# Allegro board Coral-Dev-Board-Mini-layout-Allegro.brd (continued)
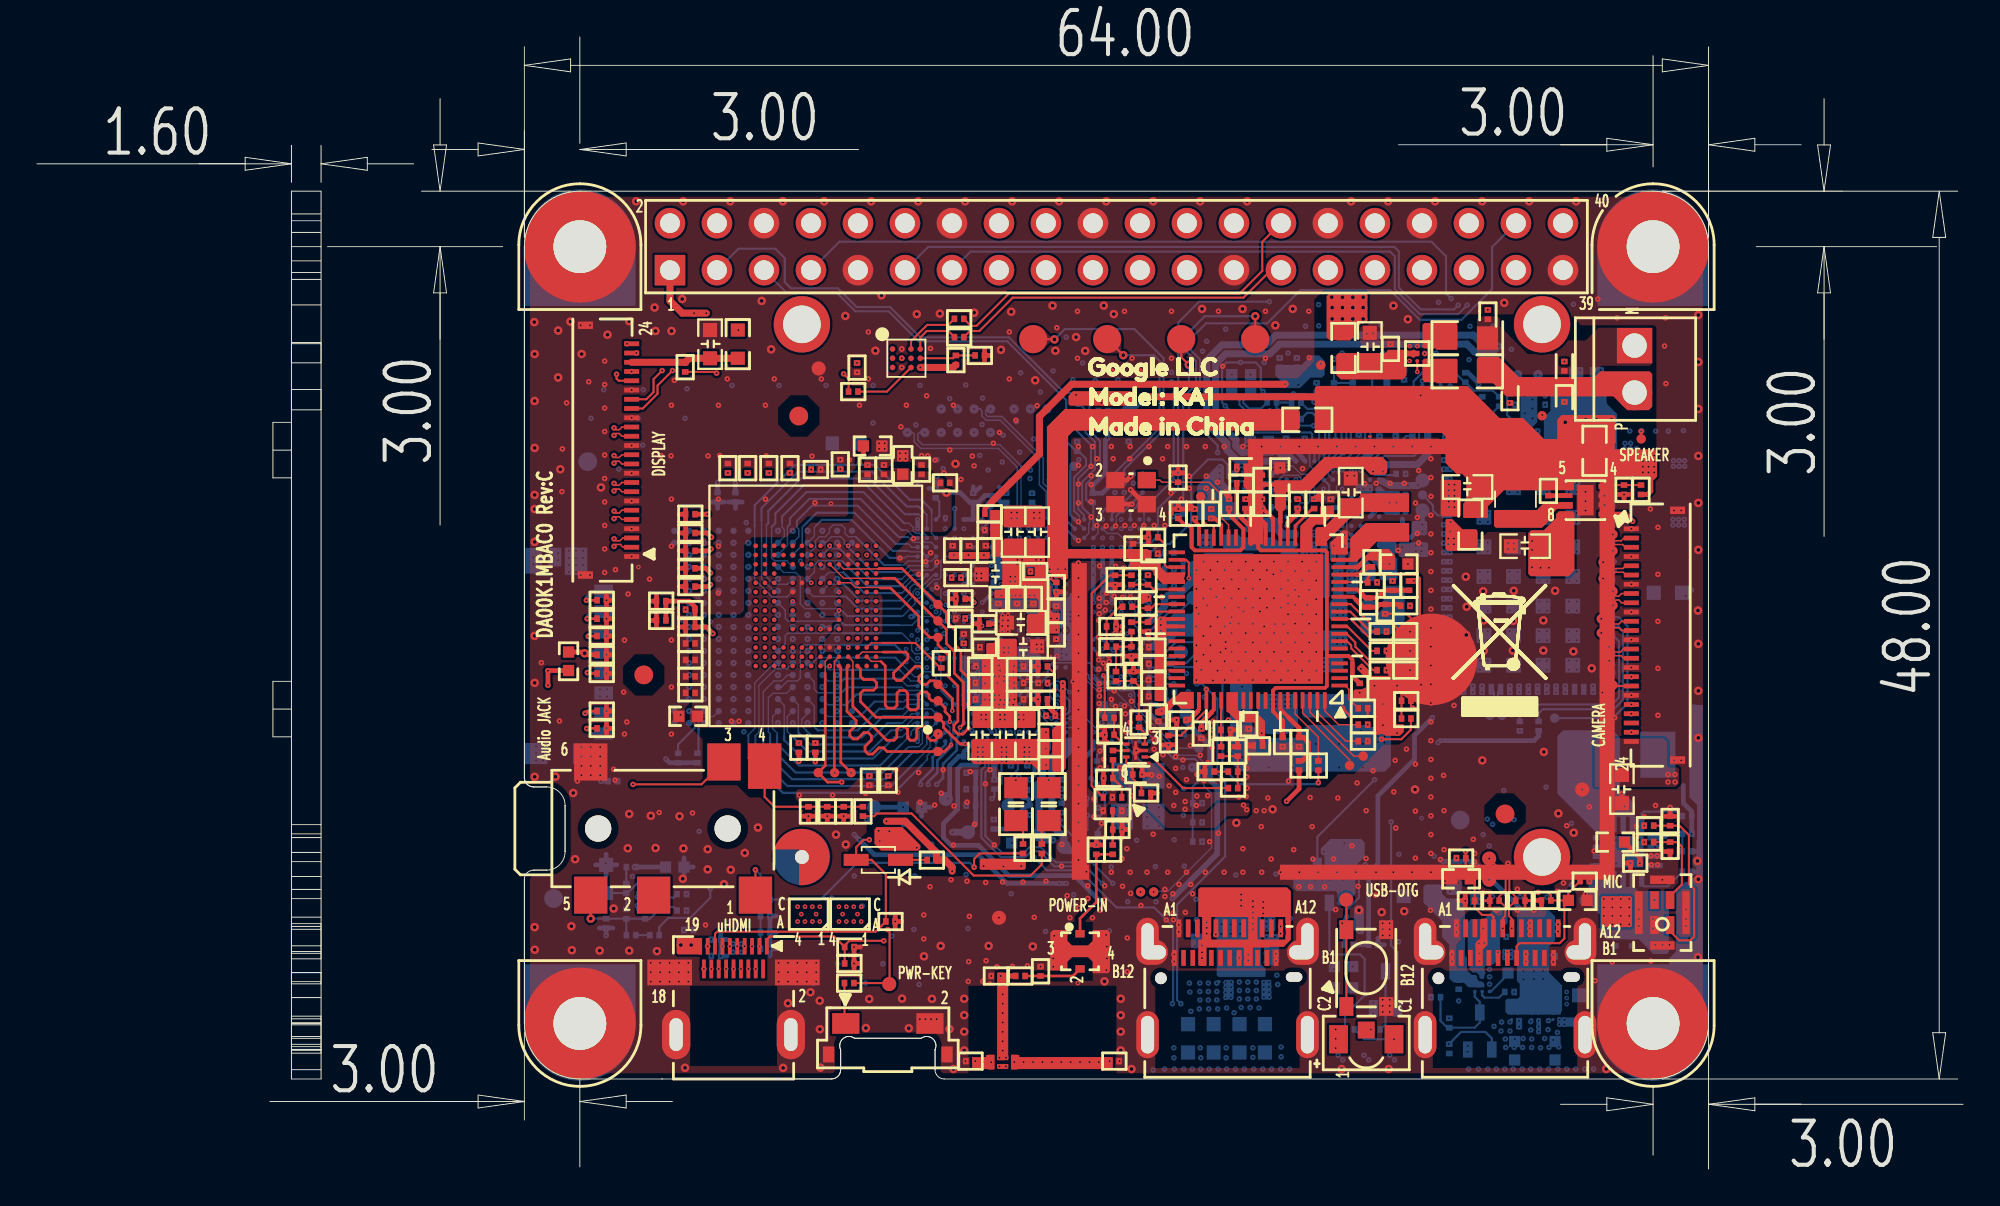
[diagram p0: board, top side]
## Routing (per net, layer and track width the routed paths; a pad name or vN(x,y) marks a point on that pad's centre or on a via; arc(x,y) is an arc through that point) (continued)
ED17: length 9.1
  BOTTOM w0.076: 46.99,33.8 47.09,33.8 47.28,33.62 U6.A4 ; 41.07,34.79 41.07,34.69 41.17,34.59 41.17,34.18 U501.T9
  BOTTOM w0.114: 41.07,34.79 41.07,35.04 41.89,35.86 44.35,35.86 46.41,33.8 46.99,33.8
ED18: length 7.6
  BOTTOM w0.076: U501.T10 42.01,34.22 42.01,34.69 42.11,34.79 ; U6.A5 46.97,33.12 46.89,33.04 46.66,33.04
  BOTTOM w0.114: 42.11,34.79 42.42,35.1 44.03,35.1 46.09,33.04 46.66,33.04
ED19: length 6.8
  BOTTOM w0.076: U6.B6 47.13,32.62 46.78,32.27 46.66,32.27 ; 43.83,33.62 43.64,33.82 43.64,33.98 43.44,34.18 42.93,34.18 42.6,33.86 U501.T11
  BOTTOM w0.114: 43.83,33.62 45.18,32.27 46.66,32.27
ED20: length 11.2
  BOTTOM w0.076: U501.R8 40.56,33.72 40.56,34.73 40.6,34.78 ; U6.B4 47.97,33.62 47.71,33.88 47.37,33.88 47.08,34.17 46.98,34.17
  BOTTOM w0.114: 46.98,34.17 46.57,34.17 44.52,36.23 41.73,36.23 40.69,35.19 40.69,34.87 40.6,34.78
ED21: length 9.7
  BOTTOM w0.076: U501.R9 41.36,33.72 41.36,34.7 41.45,34.79 ; U6.B5 48.08,33.12 47.83,33.37 47.17,33.37 47.12,33.42 46.99,33.42
  BOTTOM w0.114: 46.99,33.42 46.24,33.42 44.19,35.48 42.14,35.48 41.45,34.79
ED22: length 9.2
  BOTTOM w0.076: 44.25,34.18 43.84,34.18 43.66,34.36 43.66,34.64 43.49,34.82 43.03,34.82 42.83,34.61 42.83,34.41 42.6,34.18 42.29,34.18 42.06,33.95 42.06,33.63 U501.R10 ; U6.C5 48.59,33.11 48.35,32.87 47.08,32.87 46.86,32.66 46.66,32.66
  BOTTOM w0.114: 44.25,34.18 45.77,32.66 46.66,32.66
ED23: length 7.3
  BOTTOM w0.076: 43.31,33.55 42.78,33.55 U501.R11 ; 46.66,31.89 46.73,31.89 47.22,32.38 48.36,32.38 48.59,32.6 U6.C6
  BOTTOM w0.114: 43.31,33.55 43.37,33.55 45.03,31.89 46.66,31.89
ED24: length 5.5
  BOTTOM w0.076: U6.A20 47.48,25.62 47.45,25.65 46.66,25.65 ; U501.C11 42.75,25.1 43.6,25.1
  BOTTOM w0.114: 46.66,25.65 44.27,25.65 43.73,25.1 43.6,25.1
ED25: length 7.9
  BOTTOM w0.076: 46.66,24.89 46.81,24.89 47.05,25.12 U6.A21 ; U501.C10 42.01,25.04 42.01,23.9 42.06,23.84
  BOTTOM w0.114: 42.06,23.84 42.19,23.72 44.35,23.72 45.52,24.89 46.66,24.89
ED26: length 9.3
  BOTTOM w0.076: 41.15,23.73 41.15,25.11 U501.C9 ; U6.A22 47.28,24.62 46.76,24.1 46.66,24.1
  BOTTOM w0.114: 46.66,24.1 45.95,24.1 44.81,22.96 41.79,22.96 41.15,23.6 41.15,23.73
ED27: length 10.8
  BOTTOM w0.076: U6.A23 47.39,24.12 47.03,23.76 47.03,23.63 46.75,23.35 46.66,23.35 ; 40.38,23.41 40.38,25.07 U501.C8
  BOTTOM w0.114: 46.66,23.35 46.34,23.35 45.19,22.19 41.38,22.19 40.38,23.19 40.38,23.41
ED28: length 6.2
  BOTTOM w0.076: 46.66,25.27 46.84,25.27 46.95,25.38 47.83,25.38 U6.B21 ; U501.B11 42.73,24.47 44.35,24.47
  BOTTOM w0.114: 46.66,25.27 45.26,25.27 44.46,24.47 44.35,24.47
ED29: length 9.2
  BOTTOM w0.076: U501.B10 41.64,24.62 41.33,24.3 41.33,23.96 41.55,23.74 ; 46.66,24.48 46.76,24.48 47.16,24.88 48.33,24.88 U6.C22
  BOTTOM w0.114: 41.55,23.74 41.95,23.34 44.58,23.34 45.72,24.48 46.66,24.48
ED30: length 10.1
  BOTTOM w0.076: 40.79,23.41 40.54,23.66 40.54,24.46 U501.B9 ; 46.66,23.72 46.71,23.72 47.36,24.37 47.84,24.37 U6.B22
  BOTTOM w0.114: 46.66,23.72 46.15,23.72 45.01,22.57 41.63,22.57 40.79,23.41
ED31: length 11.6
  BOTTOM w0.076: 46.73,22.97 47.25,23.49 47.25,23.64 47.46,23.86 47.75,23.86 48.01,24.12 U6.B23 ; U501.B8 39.76,24.47 39.76,23.82 40,23.57 40,23.41
  BOTTOM w0.114: 46.73,22.97 45.57,21.81 41.17,21.81 40,22.99 40,23.41
EDQM0: length 11.5
  BOTTOM w0.076: 43.54,29.51 43.43,29.62 40.58,29.62 40.44,29.76 40.44,30.21 U501.L8 ; 46.61,29.41 47.3,29.41 47.77,29.88 48.69,29.88 48.85,30.03 48.85,31.36 U6.C8
  BOTTOM w0.114: 43.54,29.51 43.64,29.41 46.61,29.41
EDQM1: length 13.1
  BOTTOM w0.076: U6.E21 49.58,25.12 48.85,25.85 48.85,27.7 48.69,27.86 47.45,27.86 47.27,28.04 47.27,28.44 46.74,28.97 46.66,28.97 ; U501.G8 40.44,28.4 40.44,28.82 40.59,28.97 43.54,28.97
  BOTTOM w0.114: 46.66,28.97 43.54,28.97
EDQM2: length 13.6
  BOTTOM w0.076: U6.E5 49.1,33.12 48.85,32.86 48.85,32 48.72,31.88 48.47,31.88 47.83,31.24 47.83,31.02 47.67,30.86 47.58,30.86 47.45,30.73 47.45,30.56 46.78,29.89 46.66,29.89 ; 43.54,30.14 43.38,30.3 41.51,30.3 41.25,30.55 41.25,32 41,32.25 40.35,32.25 U501.P8
  BOTTOM w0.114: 43.54,30.14 43.79,29.89 46.66,29.89
EDQM3: length 11.8
  BOTTOM w0.076: U501.D8 40.24,26.06 40.57,26.38 41.1,26.38 41.25,26.54 41.25,28.16 41.43,28.34 43.54,28.34 ; 46.66,28.04 46.94,27.76 47.09,27.76 47.47,27.38 47.74,27.38 47.83,27.28 47.83,27.04 47.99,26.88 48.3,26.88 48.59,26.59 U6.C19
  BOTTOM w0.114: 43.54,28.34 46.36,28.34 46.66,28.04
EDQS0: length 8.6
  L06_GND2 w0.076: v10(49.09,32.12) 49.23,31.98 49.23,31.87 49.02,31.66 44.06,31.66 43.86,31.46 42.39,31.46 41.97,31.04 41.97,30.71 41.87,30.61 v10(41.64,30.61)
EDQS0_B: length 8.6
  L06_GND2 w0.076: v10(42.44,30.61) 42.24,30.61 42.17,30.68 42.17,30.96 42.47,31.26 43.94,31.26 44.15,31.46 49.1,31.46 49.43,31.79 49.43,31.96 v10(49.59,32.12)
EDQS1: length 8.8
  L06_GND2 w0.076: v10(41.64,28.01) 41.87,28.01 41.95,27.93 41.95,27.59 42.42,27.12 43.77,27.12 44.32,26.56 49.02,26.56 49.23,26.36 49.23,26.26 v10(49.09,26.12)
EDQS1_B: length 8.8
  L06_GND2 w0.076: v10(42.44,28.01) 42.22,28.01 42.14,27.93 42.14,27.68 42.5,27.32 43.85,27.32 44.41,26.76 49.11,26.76 49.43,26.44 49.43,26.28 v10(49.59,26.12)
EDQS2: length 13.1
  L06_GND2 w0.076: v10(41.64,32.56) 41.87,32.56 41.95,32.63 41.95,33.33 42.44,33.82 43.69,33.82 44.55,32.96 49.4,32.96 50.21,32.16 50.21,30.82 49.92,30.53 49.48,30.53 49.23,30.77 49.23,30.98 49.1,31.12 v10(49.09,31.12)
EDQS2_B: length 11.8
  L06_GND2 w0.076: v10(49.59,31.12) 49.57,31.12 49.43,30.98 49.43,30.86 49.56,30.73 49.84,30.73 50.01,30.91 50.01,32.07 49.32,32.77 44.47,32.77 43.61,33.62 42.52,33.62 42.14,33.25 42.14,32.63 42.22,32.56 v10(42.44,32.56)
EDQS3: length 8.7
  L06_GND2 w0.076: v10(41.64,26.06) 41.87,26.06 41.95,25.98 41.95,25.46 42.6,24.81 44.17,24.81 45.01,25.65 48.46,25.65 48.72,25.39 48.72,25.25 v10(48.59,25.12)
EDQS3_B: length 8.7
  L06_GND2 w0.076: v10(42.44,26.06) 42.22,26.06 42.14,25.98 42.14,25.54 42.68,25.01 44.09,25.01 44.93,25.85 48.55,25.85 48.92,25.47 48.92,25.29 49.09,25.13 v10(49.09,25.12)
EINT0: length 31
  L08_IN4 w0.089: v10(58.59,28.62) 58.67,28.7 59.09,28.7 59.26,28.87 59.66,28.87 60.17,29.38 60.43,29.38 61.29,30.23 61.29,31.99 60.89,32.4 60.89,34.3 61.1,34.51 61.1,36.31 61.31,36.53 61.31,42.81 61.11,43.01 61.11,45.28 59.25,47.14 58.79,47.14 58.14,47.8 58.14,48.9 57.16,49.88 53.25,49.88 J6.16
EINT1: length 32.4
  L07_IN3 w0.084: J6.18 55.72,49.94 55.72,48.28 56.74,47.26 v7(60.22,47.26)
  L08_IN4 w0.089: v10(57.82,28.39) 57.84,28.37 58.25,28.37 58.41,28.21 58.8,28.21 58.96,28.36 59.91,28.36 60.18,28.09 60.41,28.09 60.76,28.45 60.76,28.46 61.15,28.85 61.15,28.92 61.86,29.63 61.86,32.23 61.46,32.63 61.46,34.06 62.08,34.69 62.08,36.21 61.95,36.35 61.95,42.98 61.69,43.25 61.69,45.8 v7(60.22,47.26)
  BOTTOM w0.114: U6.AA14 v10(57.82,28.39)
EINT7: length 26
  L08_IN4 w0.089: v10(60.09,28.87) 60.32,28.87 60.36,28.83 60.59,28.83 60.75,28.99 60.75,29.31 61.48,30.04 61.48,32.07 61.08,32.48 61.08,34.22 61.7,34.85 61.7,36.05 61.57,36.19 61.57,42.83 61.31,43.09 61.31,45.36 59.33,47.34 58.87,47.34 58.45,47.76 58.45,49.98 J6.22
  BOTTOM w0.114: v10(60.09,28.87) U6.AF14
EINT8: length 29.1
  L07_IN3 w0.084: J6.26 63.45,49.89 63.45,48.19 62.85,47.6 61.62,47.6 59.83,45.8 59.26,45.8 v7(59.25,45.81)
  L08_IN4 w0.089: v7(59.25,45.81) 59.24,45.8 59.24,44.97 59.99,44.22 59.99,42.38 59.57,41.96 59.57,41.42 60.25,40.74 60.25,37.27 60.03,37.05 60.03,35.35 59.84,35.16 59.84,33.98 60.2,33.62 60.2,32.06 60.33,31.93 60.33,31.17 60.17,31.01 60.17,30.8 59.84,30.46 59.84,30.02 59.69,29.87 59.39,29.87 58.89,29.37 58.75,29.37 58.54,29.15 58.23,29.15 57.57,28.49 57.57,28.14 v10(57.59,28.12)
EINT9: length 111.7
  L07_IN3 w0.084: v8(60.47,29.1) 60.57,29 60.57,27.79 61.93,26.44 61.93,25.52 62.16,25.3 62.16,23.95 63.53,22.57 66.38,22.57 67.14,21.81 70.28,21.81 71.72,20.38 71.72,17.23 73.38,15.58 75.14,15.58 76.01,14.71 76.94,14.71 77.75,15.52 77.75,16.81 82.54,21.6 84.81,21.6 88.4,25.18 88.4,38.99 88.4,39.97 88.21,40.15 88.21,44.99 86.97,46.22 84.88,46.22 82.21,43.56 80.52,43.56 79.05,45.02 78.5,45.02 v9(76.81,46.7)
  L09_IN5 w0.114: v8(60.47,29.1) 60.24,29.34 59.37,29.34 v10(59.09,29.62)
  BOTTOM w0.114: J6.11 48.17,49.85 73.36,49.85 73.6,49.61 73.6,47.66 74.78,46.48 76.58,46.48 v9(76.81,46.7)
EINT10: length 108.9
  L07_IN3 w0.084: v9(77.29,46.7) 77.29,46.54 78.61,45.21 79.22,45.21 80.64,43.79 82.18,43.79 84.87,46.48 86.98,46.48 88.39,45.06 88.39,40.23 88.58,40.04 88.58,39.99 88.58,39.99 88.58,38.91 88.58,25.1 84.89,21.41 82.71,21.41 77.98,16.69 77.98,15.49 77.02,14.53 75.93,14.53 75.07,15.39 73.3,15.39 71.5,17.19 71.5,20.26 70.16,21.61 67.08,21.61 66.3,22.39 63.46,22.39 61.93,23.92 61.93,25.26 61.74,25.45 61.74,26.36 60.3,27.81 v8(60.3,28.37)
  L09_IN5 w0.076: v10(59.09,28.62) 59.21,28.62 59.46,28.37 v8(60.3,28.37)
  BOTTOM w0.114: v9(77.29,46.7) 76.81,46.22 74.73,46.22 73.38,47.57 73.38,49.35 73.13,49.6 50.45,49.6 J6.13
EINT11: length 30.3
  L08_IN4 w0.089: v10(57.59,27.7) 57.34,27.95 57.34,28.5 58.18,29.34 58.49,29.34 58.68,29.53 58.82,29.53 59.18,29.89 59.18,30.06 60.01,30.89 60.01,31.07 60.17,31.24 60.17,31.86 60.04,31.99 60.04,33.38 59.65,33.77 59.65,35.24 59.84,35.43 59.84,37.13 60.06,37.35 60.06,40.36 57.41,43 57.41,46.39 55.77,48.03 55.77,49.2 55.32,49.65 53.05,49.65 J6.15
  BOTTOM w0.114: U6.Y15 57.51,27.7 v10(57.59,27.7)
EINT12: length 35.1
  L07_IN3 w0.084: J6.32 71.23,51.14 70.27,52.11 69.26,52.11 69.01,51.86 68.02,51.86 67.74,52.14 66.68,52.14 65.99,51.45 65.99,48.05 65.35,47.41 61.79,47.41 59.9,45.52 59.63,45.52 v7(59.61,45.5)
  L08_IN4 w0.089: v7(59.61,45.5) 59.64,45.5 60.24,44.9 60.24,42.65 60.44,42.45 60.44,36.89 60.22,36.68 60.22,35.27 60.21,35.27 60.21,34.43 60.37,34.28 60.37,32.12 60.5,32 60.5,31.1 60.34,30.94 60.34,30.02 60.19,29.87 59.93,29.87 59.67,29.62 v10(59.59,29.62)
EINT13: length 86.4
  L07_IN3 w0.084: J6.36 76.09,49.84 76.09,48.03 75.06,46.99 75.06,46.07 78.44,42.69 79.3,42.69 79.94,43.33 82.24,43.33 84.9,45.99 86.95,45.99 88.02,44.91 88.02,40.08 88.21,39.89 88.21,39.83 88.21,39.83 88.21,39.06 88.21,25.26 84.74,21.78 82.4,21.78 77.52,16.9 77.52,16.58 76.7,15.76 73.45,15.76 71.96,17.25 71.96,20.47 70.42,22.01 67.2,22.01 66.45,22.76 63.61,22.76 62.36,24.01 62.36,25.36 62.11,25.6 62.11,26.52 60.76,27.87 60.76,29.23 60.48,29.51 59.63,29.51 v10(58.16,28.04)
EINT22: length 120.3
  L07_IN3 w0.084: v9(76.43,47.06) 76.89,47.52 83.72,47.52 84.53,46.7 87.02,46.7 88.58,45.14 88.58,40.31 88.77,40.12 88.77,40.06 88.77,40.06 88.77,38.83 88.77,38.83 88.77,25.03 84.97,21.23 82.8,21.23 78.17,16.59 78.17,15.41 77.1,14.34 75.86,14.34 74.99,15.2 61.11,15.2 60.39,14.48 57.37,14.48 v7(54.99,16.86)
  L08_IN4 w0.089: v7(54.99,16.86) 54.15,17.7 54.15,21.51 53.59,22.07 53.48,22.07 52.17,23.38 v8(52.17,23.62)
  L09_IN5 w0.114: v8(52.17,23.62) 52.09,23.7 v10(52.09,24.12)
  BOTTOM w0.114: J6.7 43.36,50.13 75.36,50.13 76.15,49.35 76.15,47.34 v9(76.43,47.06)
EINT23: length 78.3
  TOP w0.114: R164.2 43.86,42.72 v6(43.59,42.99)
  L07_IN3 w0.084: v7(53.85,17.91) 49.89,17.91 46.27,14.3 46.27,12.83 46.1,12.65 37.12,12.65 37.07,12.7 31.84,12.7 29.47,15.07 29.47,17.21 29.1,17.58 29.1,18.99 29.42,19.31 29.42,20.52 27.91,22.03 27.91,39.83 30.75,42.68 43.28,42.68 v6(43.59,42.99)
  L08_IN4 w0.089: v7(53.85,17.91) 53.95,18.01 53.95,21.43 53.57,21.8 53.32,21.8 v8(52.4,22.73)
  L09_IN5 w0.114: v10(52.59,23.12) 52.59,22.92 v8(52.4,22.73)
EINT25: length 79.7
  L07_IN3 w0.084: v8(61.06,28.34) 61.06,27.83 62.3,26.59 62.3,25.68 62.56,25.41 62.56,24.07 63.69,22.94 66.56,22.94 67.26,22.24 70.51,22.24 72.16,20.59 72.16,17.47 73.69,15.95 76.61,15.95 77.27,16.61 77.27,16.91 82.32,21.97 84.66,21.97 88.03,25.33 88.03,39.14 88.03,39.81 87.84,40 87.84,44.83 86.87,45.8 84.98,45.8 82.23,43.05 80.04,43.05 79.4,42.41 78.41,42.41 74.85,45.98 J6.33
  L09_IN5 w0.076: v10(59.59,28.62) 60.18,28.62 60.26,28.7 60.7,28.7 v8(61.06,28.34)
EMMC_CLK: length 14.4
  TOP w0.076: U9.M6 43.6,31.94 45.72,31.94
  TOP w0.145: v19(49.88,23.87) 50.07,24.06 50.07,26.31 49.58,26.8 49.58,27.98 49.14,28.41 49.14,29.18 TP22.1 48.67,29.63 46.36,31.94 45.72,31.94
  L05_POW w0.145: v19(49.88,23.87) 49.88,23.96 v5(50.1,24.18)
  L06_GND2 w0.145: v5(50.1,24.18) 50.17,24.12 v10(50.59,24.12)
EMMC_CMD: length 13.2
  TOP w0.076: U9.M5 43.59,32.45 45.49,32.45
  TOP w0.145: 45.49,32.45 45.51,32.46 46.75,32.46 TP23.1 49.14,30.07 49.14,29.61 49.63,29.13 49.63,28.32 49.93,28.01 49.93,26.97 50.4,26.51 50.4,25.18 v19(50.35,25.13)
  L05_POW w0.145: v19(50.35,25.13) 50.35,24.82 50.25,24.72 v5(50.25,24.72)
  L06_GND2 w0.145: v10(50.59,24.62) 50.34,24.62 v5(50.25,24.72)
EMMC_DAT0: length 11.6
  TOP w0.145: U9.A3 44.5,27.03 44.5,26.63 44.67,26.47 45.21,26.47 45.38,26.3 45.38,26.06 45.21,25.89 44.67,25.89 44.5,25.72 44.5,25.27 45.35,24.42 TP31.1 48.99,24.13 48.99,23.87 49.88,22.98 v19(50.16,22.98)
  L05_POW w0.145: v5(50.22,23.4) 50.22,23.04 v19(50.16,22.98)
  L06_GND2 w0.145: v5(50.22,23.4) 50.34,23.28 v11(50.34,23.06)
  L08_IN4 w0.109: v11(50.34,23.06) 50.34,23.37 v10(50.09,23.62)
EMMC_DAT1: length 12.6
  TOP w0.145: U9.A4 43.78,27.13 43.78,24.74 44.27,24.24 44.27,24 43.93,23.66 43.93,23.42 44.1,23.25 44.34,23.25 44.68,23.59 44.92,23.59 45.09,23.42 45.09,23.18 44.75,22.84 44.75,22.6 44.92,22.43 45.16,22.43 45.5,22.77 45.74,22.77 45.94,22.57 TP30.1 49.04,22.57 v19(49.4,22.93)
  L05_POW w0.145: v5(49.72,23.21) 49.44,22.93 v19(49.4,22.93)
  L06_GND2 w0.145: v10(49.99,22.97) 49.98,22.97 49.74,23.21 v5(49.72,23.21)
  BOTTOM w0.145: U6.F25 50.09,23.07 v10(49.99,22.97)
EMMC_DAT2: length 15.1
  TOP w0.145: v6(44,21.43) 43.44,21.98 43.44,27.1 U9.A5
  L07_IN3 w0.107: v6(44,21.43) 44,21.3 44.37,20.92 45.27,20.92 45.45,21.1 48.31,21.1 v9(48.62,20.79)
  BOTTOM w0.076: U6.F23 49.84,23.87 49.84,23.46
  BOTTOM w0.145: 49.84,23.46 49.71,23.33 49.71,22.65 48.97,21.9 48.97,21.14 v9(48.62,20.79)
EMMC_DAT3: length 11.2
  TOP w0.076: U9.B2 45.09,27.45 45.6,27.45
  TOP w0.145: v19(49.33,24.18) 49.33,24.48 49.08,24.73 49.08,24.93 TP28.1 48.36,25.31 48.21,25.46 48.21,25.64 48.07,25.79 47.78,25.79 47.63,25.64 47.63,24.97 47.49,24.82 47.2,24.82 47.06,24.97 47.06,25.73 46.91,25.87 46.62,25.87 46.48,25.73 46.48,25.06 46.33,24.92 45.99,24.92 45.84,25.06 45.84,27.21 45.6,27.45
  L05_POW w0.145: v19(49.33,24.18) 49.33,23.89 49.27,23.83 v5(49.27,23.83)
  L06_GND2 w0.145: v5(49.27,23.83) 49.48,23.62 v10(49.59,23.62)
EMMC_DAT4: length 11
  TOP w0.076: 45.72,27.95 44.6,27.95 U9.B3
  TOP w0.145: v19(49.47,24.78) 49.47,25.43 TP27.1 48.5,26.4 48.26,26.4 48.07,26.2 47.85,26.2 47.66,26.39 47.66,26.61 47.85,26.8 47.85,27.04 47.71,27.18 47.47,27.18 46.71,26.41 46.47,26.41 46.3,26.58 46.3,26.82 47.06,27.59 47.06,27.83 46.95,27.95 45.72,27.95
  L05_POW w0.145: v19(49.47,24.78) 49.65,24.6 v5(49.65,24.47)
  L06_GND2 w0.145: v5(49.65,24.47) 49.65,24.18 v10(49.59,24.12)
EMMC_DAT5: length 11.9
  TOP w0.076: 44.09,26.98 44.09,27.44 U9.B4
  TOP w0.145: v19(48.69,23.54) 48.69,23.32 48.55,23.18 48.3,23.18 48.13,23.35 48.13,23.76 47.96,23.93 47.72,23.93 47.55,23.76 47.55,23.32 47.4,23.18 47.19,23.18 47.05,23.32 47.05,23.76 46.88,23.93 46.64,23.93 46.47,23.76 46.47,23.34 46.31,23.18 45.93,23.18 44.09,25.02 44.09,26.98
  L05_POW w0.145: v5(48.36,23.37) 48.52,23.37 v19(48.69,23.54)
  L06_GND2 w0.145: v10(48.83,23.37) v5(48.36,23.37)
  BOTTOM w0.145: U6.D24 49.08,23.62 v10(48.83,23.37)
EMMC_DAT6: length 14.3
  TOP w0.076: 43.09,26.85 43.09,27.44 U9.B5
  TOP w0.145: 43.09,26.85 43.09,21.44 v6(43.11,21.43)
  L07_IN3 w0.107: v9(47.76,20.79) 45.51,20.79 45.36,20.65 44.27,20.65 43.49,21.43 v6(43.11,21.43)
  BOTTOM w0.145: U6.D25 49.09,22.94 48.41,22.26 48.41,21.64 47.76,20.98 v9(47.76,20.79)
EMMC_DAT7: length 17.1
  TOP w0.076: 42.6,26.8 42.6,27.45 U9.B6
  TOP w0.145: v6(43.49,20.92) 42.73,20.92 TP24.1 42.6,21.81 42.6,26.8
  L07_IN3 w0.107: v6(43.49,20.92) 44.05,20.36 47.76,20.36 48.16,20.76 v9(48.16,20.79)
  BOTTOM w0.076: 49.34,23.45 49.34,23.87 U6.D23
  BOTTOM w0.145: 49.34,23.45 49.41,23.38 49.41,22.82 48.66,22.08 48.66,21.43 48.16,20.93 v9(48.16,20.79)
EMMC_RSTB: length 14.4
  TOP w0.076: 45.57,31.41 45.56,31.42 45.56,31.44 44.24,31.44 43.98,31.69 U9.K5
  TOP w0.145: 45.57,31.41 46.13,31.41 47.65,29.89 47.65,29.35 48.26,28.74 TP21.1 48.69,28.33 49.25,27.78 49.25,26.63 49.77,26.11 49.77,24.21 49.55,24 49.55,23.74 49.78,23.52 50.03,23.52 v19(50.34,23.82)
  L05_POW w0.145: v5(50.9,23.82) 50.34,23.82 v19(50.34,23.82)
  L06_GND2 w0.145: v5(50.9,23.82) 50.81,23.72 v10(50.52,23.72)
EXT_PMIC_EN: length 4.3
  BOTTOM w0.076: U1.F3 69.8,37.51 69.8,38.55 69.97,38.73
  BOTTOM w0.114: TP2.1 70.51,40.66 70.51,39.26 69.97,38.73
FB_17: length 2.5
  BOTTOM w0.114: R67.2 88.92,17.18 R68.1 88.24,18.13 88.01,17.9 U26.5
GPIO_GREEN: length 34.2
  L07_IN3 w0.084: v10(59.06,32.13) 59.06,32.12 59.09,32.12 59.36,31.85 61.33,31.85 62.13,31.05 62.13,29.38 62.48,29.03 62.48,28.26 63.66,27.07 65.96,27.07 66.39,26.64 69.52,26.64 71.29,24.87 71.9,24.87 73.2,23.57 73.2,18.79 v9(73.18,18.76)
  BOTTOM w0.114: Q5.1 73.53,11.73 73.18,12.08 v9(73.18,18.76)
GPIO_RED: length 28
  L07_IN3 w0.084: v10(58.76,31.5) 58.87,31.62 61.29,31.62 61.93,30.98 61.93,29.31 62.29,28.95 62.29,28.95 62.29,28.18 63.58,26.89 65.88,26.89 66.31,26.45 69.45,26.45 71.22,24.68 71.83,24.68 73,23.51 73,21.76 v9(72.29,21.05)
  BOTTOM w0.114: U6.AC8 58.71,31.5 v10(58.76,31.5) ; Q4.1 69.2,17.96 v9(72.29,21.05)
HDMI_CLK_N: length 7.8
  L03_IN1 w0.071: v14(41.11,13.38) 41.2,13.28 41.2,13.22 41.13,13.15 40.96,13.15 39.87,14.24 38.01,14.24 36.94,13.17 36.94,10.92 v14(36.84,10.82)
HDMI_CLK_P: length 7.8
  L03_IN1 w0.071: v14(37.24,10.82) 37.14,10.92 37.14,13.08 38.1,14.03 39.78,14.03 40.87,12.95 41.22,12.95 41.41,13.14 41.41,13.28 v14(41.51,13.38)
HDMI_D0_N: length 6.7
  L03_IN1 w0.071: v14(41.91,13.38) 42.01,13.28 42.01,12.96 41.57,12.52 40.77,12.52 39.69,13.6 38.25,13.6 37.54,12.89 37.54,12.14 v14(37.44,12.04)
HDMI_D0_P: length 6.7
  L03_IN1 w0.071: v14(42.31,13.38) 42.21,13.29 42.21,12.87 41.65,12.31 40.69,12.31 39.6,13.4 38.33,13.4 37.74,12.8 37.74,12.15 v14(37.84,12.04)
HDMI_D1_N: length 8.6
  L03_IN1 w0.071: v14(43.34,13.38) 43.45,13.27 43.45,13 42.32,11.87 40.6,11.87 39.47,13 38.62,13 38.13,12.51 38.13,10.91 v14(38.04,10.82)
HDMI_D1_P: length 8.6
  L03_IN1 w0.071: v14(43.74,13.38) 43.65,13.29 43.65,12.91 42.4,11.66 40.52,11.66 39.38,12.8 38.71,12.8 38.33,12.42 38.33,10.93 v14(38.44,10.82)
HDMI_D2_N: length 7.4
  L03_IN1 w0.071: v14(44.14,13.38) 44.25,13.28 44.25,12.78 42.75,11.29 40.36,11.29 39.33,12.31 38.91,12.31 v14(38.64,12.04)
HDMI_D2_P: length 7.2
  L03_IN1 w0.071: v14(44.54,13.38) 44.45,13.29 44.45,12.7 42.84,11.08 40.27,11.08 39.25,12.1 39.1,12.1 v14(39.04,12.04)
HDMI_HPD: length 35.9
  TOP w0.114: R151.1 C261.2 ; R151.1 43.08,12.57 39.61,12.57 39.44,12.4 CON1.1 ; R151.1 43.65,12.09 43.9,12.34 v7(45.77,12.34)
  L08_IN4 w0.089: v10(58.84,30.88) 58.84,30.02 58.69,29.87 58.43,29.87 58.24,29.68 58.06,29.68 56.99,28.61 56.99,27.47 56.4,26.88 56.32,26.88 56.25,26.81 55.35,26.81 54.45,25.9 54.02,25.9 51.87,23.75 51.87,23.41 51.54,23.07 51.54,22.48 51.16,22.1 51.16,19.63 50.47,18.94 49.2,18.94 48.65,18.4 48.65,15.22 v7(45.77,12.34)
  BOTTOM w0.076: U6.AF8 59.84,31.87 59.48,31.87 59.33,31.72 59.33,31.52 59.19,31.38 59,31.38 58.84,31.21 v10(58.84,30.88)
HEADPHONE.LEFT_CHAN: length 12
  TOP w0.114: R84.1 54.3,16.47 53.7,15.87 50.62,15.87 47.27,19.22 45.39,19.22 45.24,19.08 R78.1
HEADPHONE.RIGHT_CHAN: length 15.2
  TOP w0.114: R85.1 50.94,17.06 50.64,16.76 v9(50.64,16.32)
  BOTTOM w0.114: R80.2 42.35,14.57 44.33,16.56 50.41,16.56 v9(50.64,16.32)
HPL: length 5.4
  L05_POW w0.114: v4(54.68,21.03) v5(54.68,21.48)
  L06_GND2 w0.114: v5(54.68,21.48) v6(54.68,22.22)
  L07_IN3 w0.102: v6(54.68,22.22) 54.61,22.29 54.61,23.22 55.68,24.29 55.68,24.73 v10(55.55,24.86)
  BOTTOM w0.114: v10(55.55,24.86) 55.55,25.25 55.17,25.62 U6.T20
HPL_C: length 1.4
  TOP w0.114: R84.2 54.3,18.46 C274.2
HPR: length 6.7
  L05_POW w0.114: v4(52.9,21.03) v5(52.9,21.48)
  L06_GND2 w0.114: v5(52.9,21.48) v6(53.24,21.82)
  L07_IN3 w0.102: v10(55.37,24.57) 55.37,24.55 55.36,24.54 55.36,24.27 54.3,23.2 54.3,23.2 53.25,22.15 53.25,21.83 v6(53.24,21.82)
  BOTTOM w0.114: v10(55.37,24.57) 55.63,24.57 55.81,24.75 55.81,25.31 55.09,26.03 U6.T19
HPR_C: length 1.4
  TOP w0.114: R85.2 53.29,18.46 C275.2
I2C1_SCL: length 27.2
  BOTTOM w0.076: 56.34,35.3 56.34,34.87 U6.W2
  BOTTOM w0.114: J6.5 40.49,47.4 43.19,47.4 44.22,46.37 46.03,46.37 47.65,44.75 52.43,44.75 55.62,41.56 55.62,39.34 56.16,38.8 R42.1 56.3,38.8 56.69,38.4 56.69,38.04 56.05,37.4 56.05,35.58 56.34,35.3
I2C1_SDA: length 32.5
  BOTTOM w0.114: U6.Y2 57.09,36 R43.1 56.85,36.03 56.7,36.18 56.7,37.03 57.45,37.78 57.45,39.36 56.89,39.92 56.89,41.54 56.47,41.95 55.53,41.95 52.52,44.97 47.74,44.97 46.1,46.6 44.29,46.6 43.28,47.61 40.75,47.61 40.41,47.95 40.41,49.24 39.9,49.75 37.9,49.75 J6.3
I2C2_1P8_SCL: length 6.8
  BOTTOM w0.114: R166.1 78.69,42.08 77.66,42.08 R24.1 77.14,42.55 76.61,43.07 74.88,43.07 74.4,42.59 74.4,41.8 U21.A1
I2C2_1P8_SDA: length 3.4
  BOTTOM w0.114: U21.A2 75.78,40.91 76.51,40.91 76.74,41.14 76.74,41.37 77.12,41.75 R23.1 R165.1
I2C2_SCL: length 126.9
  TOP w0.114: J6.28 66.22,50.13 66.22,48.56 65,47.34 52.53,47.34 50.78,45.59 50.47,45.59 R172.2
  L07_IN3 w0.084: v7(73.66,16.4) 73.93,16.13 76.49,16.13 77.04,16.68 77.04,16.95 82.25,22.15 84.58,22.15 87.84,25.41 87.84,39.22 87.84,39.68 87.84,39.68 87.84,39.73 87.65,39.92 87.65,44.76 86.79,45.62 85.06,45.62 82.21,42.77 80.09,42.77 79.33,42.01 77.89,42.01 76.6,43.3 75.57,43.3 v9(74.87,42.6) 74.66,42.81 74.66,46.97 73.66,47.97 73.66,49.45 73.08,50.03 68.33,50.03 J6.28
  L08_IN4 w0.089: v7(73.66,16.4) 73.3,16.76 62.16,16.76 60.68,15.28 60.23,15.28 59.87,14.92 56.16,14.92 55.17,13.93 50.59,13.93 48.87,15.65 48.87,18.35 49.27,18.75 50.55,18.75 51.62,19.82 v9(51.62,20.03)
  BOTTOM w0.076: 52.93,23 52.93,23.44 52.85,23.52 52.85,24.22 52.85,24.22 52.85,24.38 U6.M22
  BOTTOM w0.114: 52.93,23 52.69,22.76 52.56,22.76 52.12,22.33 52.12,20.85 51.81,20.54 R44.1 51.74,20.15 v9(51.62,20.03) ; U21.C1 v9(74.87,42.6)
I2C2_SDA: length 119.2
  TOP w0.114: J6.27 66.69,48.6 65.2,47.11 52.73,47.11 50.93,45.31 50.42,45.31 R173.2
  L07_IN3 w0.084: v7(74.21,16.43) 74.31,16.34 76.14,16.34 76.35,16.55 76.35,16.87 76.59,17.1 76.9,17.1 82.14,22.34 83.53,22.34 87.66,26.46 87.66,39.29 87.66,39.62 87.42,39.85 87.42,40.26 87,40.68 85.81,40.68 84,42.48 83.99,42.48 80.16,42.48 79.32,41.65 77.93,41.65 76.51,43.07 75.82,43.07 v9(75.36,42.62) 75.03,42.29 74.75,42.29 74.48,42.56 74.48,46.89 73.47,47.9 73.47,49.21 73,49.68 68.31,49.68 J6.27
  L08_IN4 w0.089: v10(51.74,22.32) 51.44,22.02 51.44,20.73 51.92,20.26 51.92,19.85 50.63,18.56 49.35,18.56 49.12,18.33 49.12,15.87 50.87,14.12 55.09,14.12 56.08,15.11 59.79,15.11 60.15,15.47 60.6,15.47 62.08,16.95 73.69,16.95 v7(74.21,16.43)
  BOTTOM w0.076: 52.33,22.8 52.33,24.36 U6.M21
  BOTTOM w0.114: U21.C2 v9(75.36,42.62) ; v10(51.74,22.32) 51.84,22.32 52.33,22.8
INT_HP: length 66.1
  TOP w0.114: v7(32.21,20.79) 32.21,20.8 35.91,20.8 J4.3
  L08_IN4 w0.089: v7(32.21,20.79) 31.55,20.79 v9(31.38,20.97) 30.9,20.97 28.3,23.57 28.3,27.48 27.91,27.87 27.91,40.51 30.82,43.42 32.3,43.42 32.84,42.87 34.47,42.87 35.3,43.71 37.37,43.71 37.81,43.26 52.36,43.26 54.08,41.55 55.36,41.55 57.18,39.73 57.18,34.53 v10(57.59,34.12)
JTCLK_1V8: length 29
  L07_IN3 w0.084: v9(76.37,41.33) 74.75,41.33 73.94,42.13 72.82,42.13 57.84,42.13 57.29,41.58 57.29,41.58 57.15,41.45 v9(56.26,41.45)
  BOTTOM w0.076: 56.84,35.43 56.89,35.38 56.89,34.95 56.84,34.89 56.84,34.37 U6.W3
  BOTTOM w0.114: v9(56.26,41.45) 56.67,41.04 56.67,39.82 57.18,39.31 57.18,37.84 56.49,37.15 56.49,35.78 56.84,35.43
JTCLK_3V3: length 7.7
  L08_IN4 w0.089: v9(76.37,42.33) 76.37,45.04 J6.37
JTMS_1V8: length 33.9
  TOP w0.114: R73.2 v9(69.25,20.89)
  L07_IN3 w0.084: v9(55.3,39.41) 55.86,38.86 56.36,38.86 57.94,37.28 57.94,36.39 59.79,34.54 59.79,34.03 60.99,32.84 61.18,32.84 62.59,31.43 62.59,29.58 63.85,28.32 63.85,28.31 63.85,28.3 v9(63.85,27.49)
  BOTTOM w0.114: U6.V3 55.39,34.81 55.39,37.23 TP8.1 55.17,37.45 55.17,38.37 54.94,38.6 54.94,39.06 v9(55.3,39.41) ; v9(63.85,27.49) 64.07,27.27 64.07,21.71 64.98,20.8 69.17,20.8 v9(69.25,20.89)
KPCOL0: length 15
  TOP w0.114: TP52.1 61.84,43.89 v17(62.25,43.48)
  BOTTOM w0.076: U6.AA2 57.85,34.36 58.42,34.36 58.9,33.88 58.99,33.88 58.99,33.88 59.19,33.88 59.19,33.88 59.36,33.88
  BOTTOM w0.114: 59.36,33.88 59.38,33.86 60.2,33.86 60.58,34.24 60.58,35.7 61.67,36.79 61.67,41.8 62.25,42.38 v17(62.25,43.48)
LOUT_N: length 26
  L08_IN4 w0.102: v10(55.09,25.12) 55.84,25.87 56.5,25.87 56.51,25.86 57.14,25.86 57.97,26.7 57.97,26.96 58.26,27.25 59.52,27.25 60.07,26.7 61.07,26.7 62.37,28 62.37,29 63.26,29.89 63.26,30.18 63.23,30.21 63.23,38.85 65.37,40.99 v9(66.62,40.99)
  BOTTOM w0.114: v9(66.62,40.99) 66.99,40.62 C216.2 67,40.55 R31.2
LOUT_N_C: length 2.6
  BOTTOM w0.114: C216.1 66.14,40.9 65.41,40.9 64.98,41.33 64.98,41.54 R52.1
LOUT_N_R1: length 4.4
  BOTTOM w0.076: 69.62,38.93 69.29,38.6 69.29,38.02 U1.E2
  BOTTOM w0.114: R31.1 68.65,40.89 68.92,40.89 69.62,40.19 69.62,38.93